# Altium PCB PicoPrint.PcbDoc (part 1 of 3) (continued)
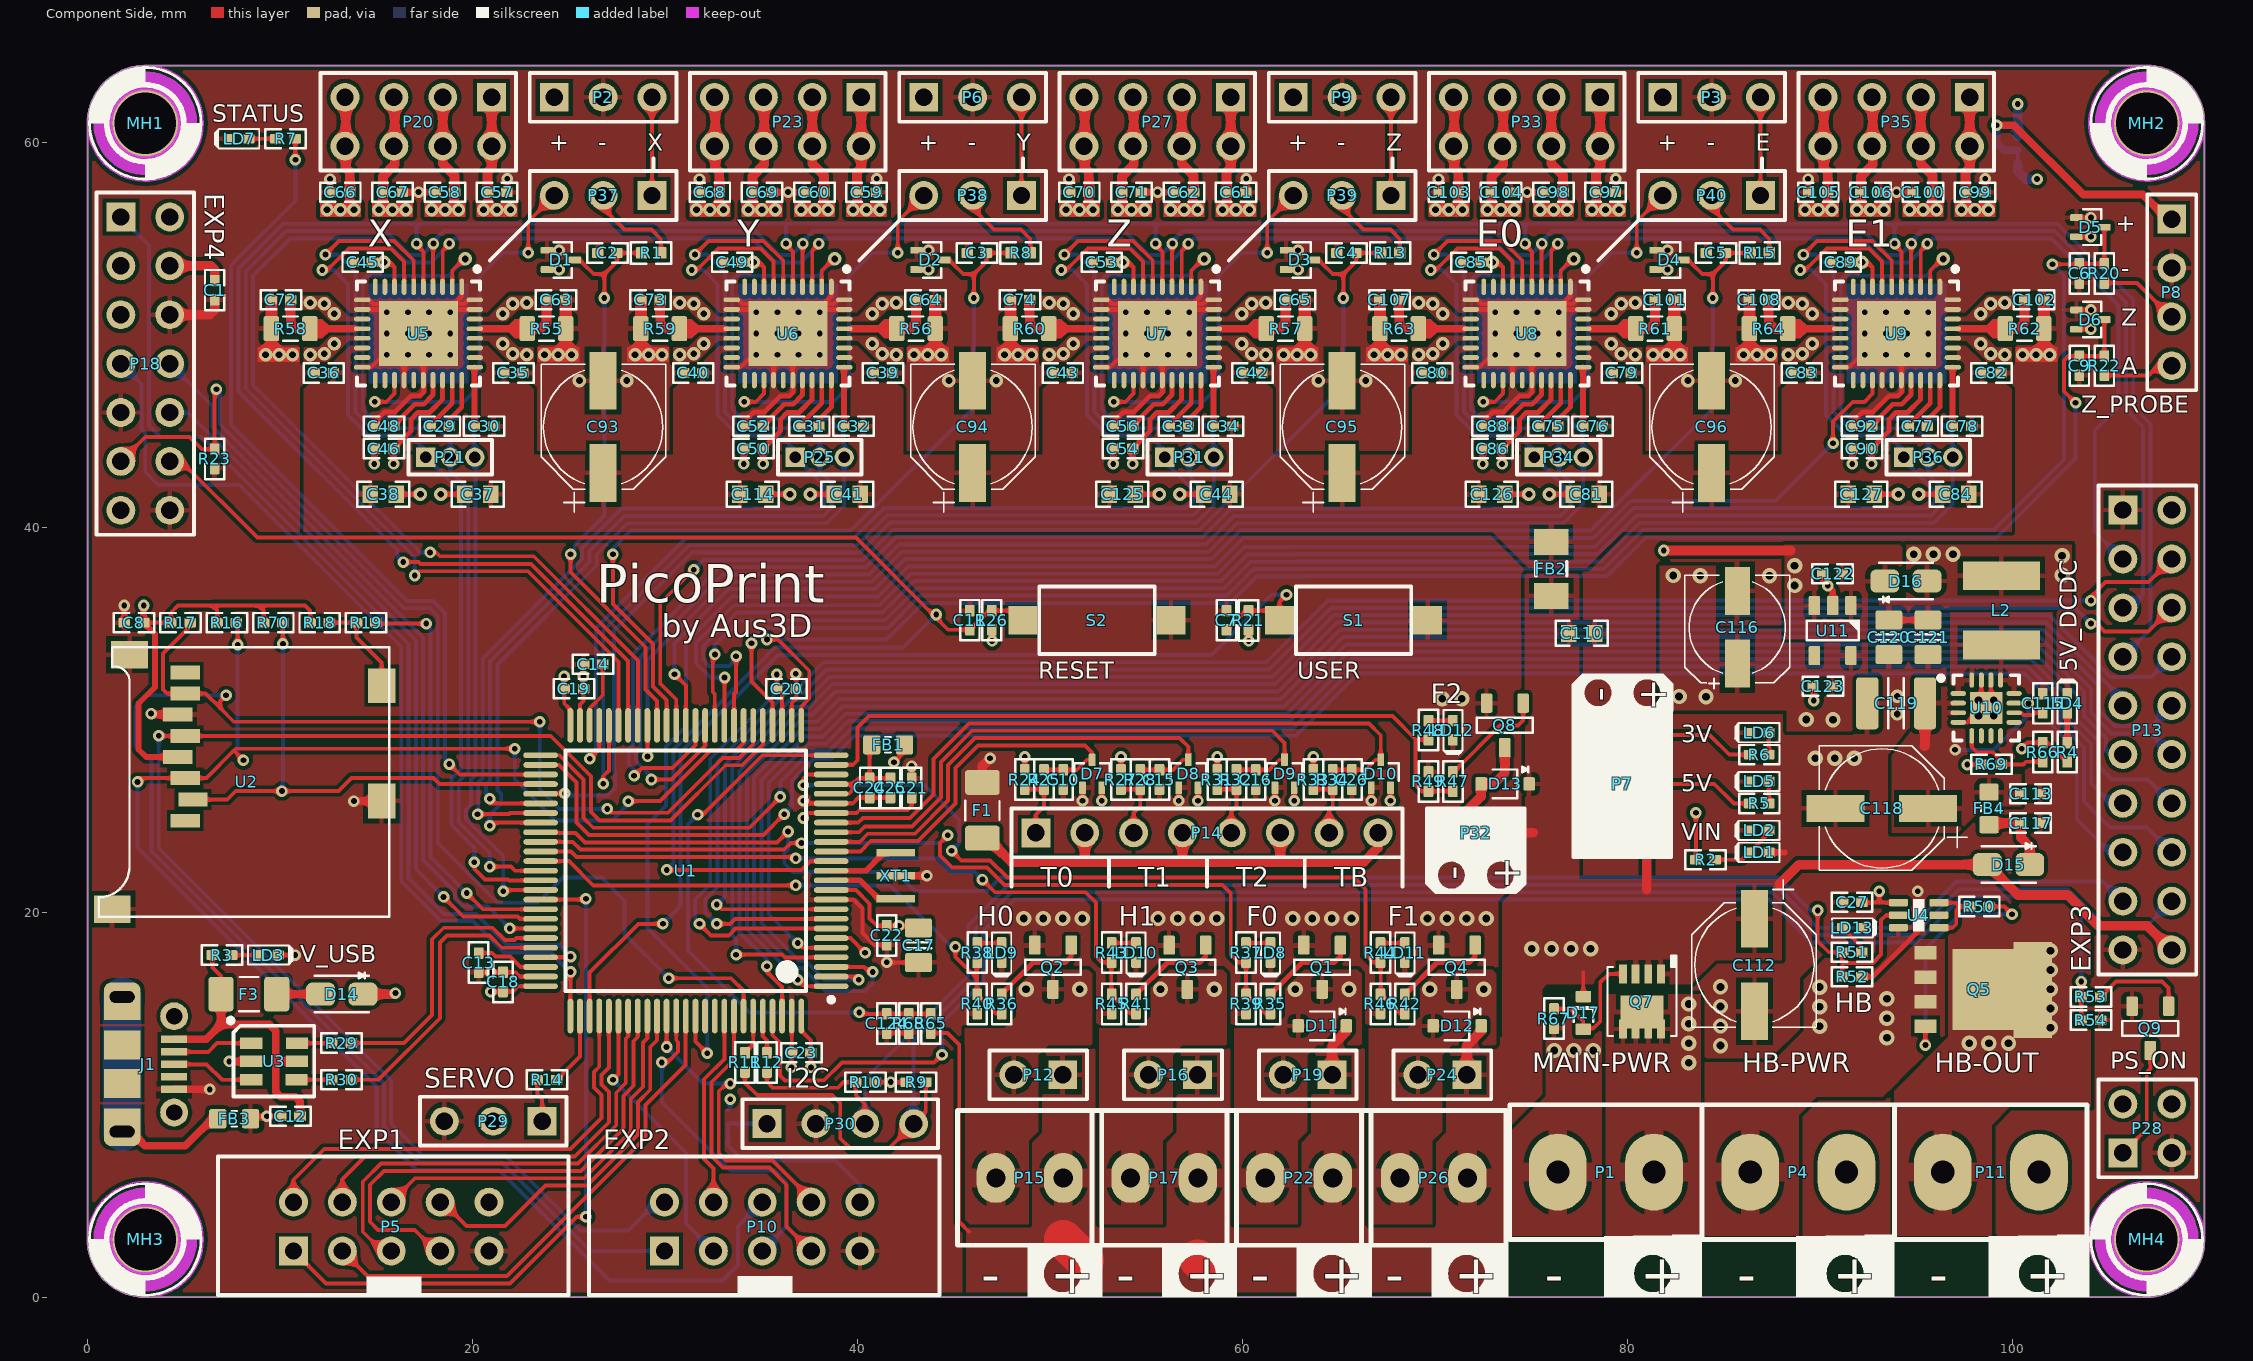
[diagram p0: Component Side view]
## Components (designator, comment, footprint, x,y, rotation, side; value= is the part's Value field where it differs from the comment) (continued)
C88 "CapC-0402-4.7uF-10V" "CAP 1005-0402" 73.004,45.264 r0 top value=4.7uF
C89 "CapC-0402-100nF" "CAP 1005-0402" 91.1,53.775 r0 top value=100nF
C90 "CapC-0402-470nF" "CAP 1005-0402" 92.2,44.1 r0 top value=470nF
C92 "CapC-0402-4.7uF-10V" "CAP 1005-0402" 92.204,45.264 r0 top value=4.7uF
C93 "CapE-6.3-100uF-35V" "CAP EL PANASONIC" 26.79,47.679 r180 top value="100uF 35V"
C94 "CapE-6.3-100uF-35V" "CAP EL PANASONIC" 45.99,47.679 r180 top value="100uF 35V"
C95 "CapE-6.3-100uF-35V" "CAP EL PANASONIC" 65.19,47.679 r180 top value="100uF 35V"
C96 "CapE-6.3-100uF-35V" "CAP EL PANASONIC" 84.39,47.679 r180 top value="100uF 35V"
C97 "CapC-0402-470pF-100V" "CAP 1005-0402" 78.884,57.414 r180 top value=470pF
C98 "CapC-0402-470pF-100V" "CAP 1005-0402" 76.167,57.414 r0 top value=470pF
C99 "CapC-0402-470pF-100V" "CAP 1005-0402" 98.084,57.414 r180 top value=470pF
C100 "CapC-0402-470pF-100V" "CAP 1005-0402" 95.367,57.414 r0 top value=470pF
C101 "CapC-0402-100nF" "CAP 1005-0402" 81.95,51.825 r0 top value=100nF
C102 "CapC-0402-100nF" "CAP 1005-0402" 101.15,51.825 r0 top value=100nF
C103 "CapC-0402-470pF-100V" "CAP 1005-0402" 70.734,57.414 r180 top value=470pF
C104 "CapC-0402-470pF-100V" "CAP 1005-0402" 73.451,57.414 r0 top value=470pF
C105 "CapC-0402-470pF-100V" "CAP 1005-0402" 89.934,57.414 r180 top value=470pF
C106 "CapC-0402-470pF-100V" "CAP 1005-0402" 92.651,57.414 r0 top value=470pF
C107 "CapC-0402-100nF" "CAP 1005-0402" 67.65,51.825 r180 top value=100nF
C108 "CapC-0402-100nF" "CAP 1005-0402" 86.85,51.825 r180 top value=100nF
C110 "CapC-0603-1uF 50V" "Cap 1608-0603" 77.6,34.491 r180 top value=1uF
C112 "CapE-6.3-100uF-35V" "CAP EL PANASONIC" 86.614,14.809 r0 top value="100uF 35V"
C113 "CapC-0402-100nF-50V" "CAP 1005-0402" 100.965,26.162 r180 top value=100nF
C114 "CapC-0603-1uF 50V" "Cap 1608-0603" 34.525,41.725 r180 top value=1uF
C115 "CapC-0402-100nF" "CAP 1005-0402" 101.6,30.861 r90 top value=100nF
C116 "CapE-5.0-100uF-6.3V" "CAP EL 5mm" 85.725,34.798 r180 top value="100uF 6.3V"
C117 "CapC-0402-100nF-50V" "CAP 1005-0402" 100.965,24.638 r180 top value=100nF
C118 "CapE-6.3-100uF-35V" "CAP EL PANASONIC" 90.78,25.4 r270 top value="100uF 35V"
C119 "CapC-1210-4.7uF-50V" "CAP 3225-1210" 93.98,30.861 r0 top value=4.7uF
C120 "CapC-0805-22uF 6.3V" CAPC2012X135N 93.599,34.29 r90 top value=22uF
C121 "CapC-0805-22uF 6.3V" CAPC2012X135N 95.631,34.29 r90 top value=22uF
C122 "CapC-0402-4.7uF-10V" "CAP 1005-0402" 90.678,37.592 r0 top value=4.7uF
C123 "CapC-0402-4.7uF-10V" "CAP 1005-0402" 90.17,31.75 r0 top value=4.7uF
C124 "CapC-0402-100nF" "CAP 1005-0402" 41.529,14.224 r90 top value=100nF
C125 "CapC-0603-1uF 50V" "Cap 1608-0603" 53.725,41.725 r180 top value=1uF
C126 "CapC-0603-1uF 50V" "Cap 1608-0603" 72.925,41.725 r180 top value=1uF
C127 "CapC-0603-1uF 50V" "Cap 1608-0603" 92.125,41.725 r180 top value=1uF
D1 "Dual Schottky 100mA 30V SOT523" SOT523 24.6,53.9 r0 top
D2 "Dual Schottky 100mA 30V SOT523" SOT523 43.8,53.9 r0 top
D3 "Dual Schottky 100mA 30V SOT523" SOT523 63,53.9 r0 top
D4 "Dual Schottky 100mA 30V SOT523" SOT523 82.2,53.9 r0 top
D5 "Dual Schottky 100mA 30V SOT523" SOT523 104.075,55.6 r0 top
D6 "Dual Schottky 100mA 30V SOT523" SOT523 104.075,50.8 r0 top
D7 "Dual Schottky 100mA 30V SOT523" SOT523 52.2,27.2 r90 top
D8 "Dual Schottky 100mA 30V SOT523" SOT523 57.2,27.2 r90 top
D9 "Dual Schottky 100mA 30V SOT523" SOT523 62.2,27.2 r90 top
D10 "Dual Schottky 100mA 30V SOT523" SOT523 67.2,27.2 r90 top
D11 "General 500mW 75V SOD323" SOD323 64.165,14.097 r180 top value="Vf=1V @ 50mA"
D12 "General 500mW 75V SOD323" SOD323 71.165,14.097 r180 top value="Vf=1V @ 50mA"
D13 "General 500mW 75V SOD323" SOD323 73.66,26.67 r180 top value="Vf=1V @ 50mA"
D14 "Schottky 2A 40V SOD-123F" DIOM2616X08N 13.208,15.748 r180 top
D15 "Schottky 2A 40V SOD-123F" DIOM2616X08N 99.822,22.479 r180 top
D16 "Schottky 2A 40V SOD-123F" DIOM2616X08N 94.488,37.211 r0 top
D17 "Zener 10V 150mW SOD523" SOD523 77.724,14.771 r270 top
F1 "PTC Resettable Fuse" "RES 3216-1206" 46.5,25.3 r270 top value=200mA
F3 "PTC Resettable Fuse" "RES 3216-1206" 8.382,15.748 r0 top value=200mA
FB1 "120R @ 100 MHz" INDC1608N 41.6,28.7 r0 top
FB2 "50R @ 100 MHz" INDC3216X13N 76.061,37.846 r90 top
FB3 "120R @ 100 MHz" INDC1608N 7.62,9.271 r0 top
FB4 "120R @ 100 MHz" INDC1608N 98.806,25.4 r90 top
J1 "Micro-USB B Socket" "Micro-USB B Molex 105017-0001" 4.5,12.1 r270 top
J2 "Jumper" JUMPER-3-NO 33.274,9.017 r270 bottom
J8 "Jumper" JUMPER-3-NO 100.3,59.6 r270 bottom
L2 "Inductor SMD 4.7uH 2.6A" INDUCTOR_NRS5030T4R7MMGJ 99.441,35.687 r90 top value=4.7uH
LD1 "LED-0402" "LED 0402" 86.868,23.114 r180 top value=Red
LD2 "LED-0402" "LED 0402" 86.868,24.257 r180 top value=Green
LD3 "LED-0402" "LED 0402" 9.398,17.78 r0 top value=Green
LD4 "LED-0402" "LED 0402" 102.87,30.861 r90 top value=Green
LD5 "LED-0402" "LED 0402" 86.868,26.797 r180 top value=Green
LD6 "LED-0402" "LED 0402" 86.868,29.337 r180 top value=Green
LD7 "LED-0402" "LED 0402" 7.874,60.198 r180 top value=Yellow
LD8 "LED-0402" "LED 0402" 61.468,17.907 r270 top value=Green
LD9 "LED-0402" "LED 0402" 47.498,17.907 r270 top value=Green
LD10 "LED-0402" "LED 0402" 54.483,17.907 r270 top value=Green
LD11 "LED-0402" "LED 0402" 68.453,17.907 r270 top value=Green
LD12 "LED-0402" "LED 0402" 70.948,29.464 r270 top value=Green
LD13 "LED-0402" "LED 0402" 91.694,19.193 r0 top value=Green
MH1 "Screw Hole" M3-Hole-2 3,61 r90 top locked
MH2 "Screw Hole" M3-Hole-2 107,61 r0 top locked
MH3 "Screw Hole" M3-Hole-2 3,3 r180 top
MH4 "Screw Hole" M3-Hole-2 107,3 r270 top locked
P1 "Main PWR Screw Term" "TERM2 5MM" 76.4,6.5 r0 top
P2 "X-STOP" HDR1X3-HEADER 24.25,62.35 r0 top
P3 "E-STOP" HDR1X3-HEADER 81.85,62.35 r0 top
P4 "Bed PWR Screw Term" "TERM2 5MM" 86.4,6.5 r0 top
P5 "EXP1" "HDR2X5_exp Iner only\" 6.698,0.098 r0 top
P6 "Y_STOP" HDR1X3-HEADER 43.45,62.35 r0 top
P7 "PWR_AUX" HDR2X3-Header 81.026,24.13 r90 top
P8 "PROBE" HDR1X4-HEADER 108.3,56.02 r270 top
P9 "Z-STOP" HDR1X3-HEADER 62.65,62.35 r0 top
P10 "EXP2" "HDR2X5_exp Iner only\" 25.978,0.1 r0 top
P11 "HB Screw Term" "TERM2 5MM" 96.4,6.5 r0 top
P12 "H0 Header" HDR1X2-HEADER 50.673,11.557 r180 top
P13 "EXP3" HDR2X10-HEADER 105.76,40.9 r270 top
P14 "Thermistors" HDR1X8-HEADER 49.276,24.13 r0 top
P15 "H0 Screw Term" "TERM2 3.5mm" 50.701,6.2 r180 top
P16 "H1 Header" HDR1X2-HEADER 57.673,11.557 r180 top
P17 "H1 Screw Term" "TERM2 3.5mm" 57.701,6.2 r180 top
P18 "EXP4" HDR2X7 1.73,56.13 r270 top locked
P19 "F0 Header" HDR1X2-HEADER 64.673,11.557 r180 top
P20 "X-MOTOR" HDR2X4-HEADER 21,62.35 r180 top
P21 "X-DRIVER" MHDR1X3 17.58,43.65 r0 top
P22 "F0 Screw Term" "TERM2 3.5mm" 64.701,6.2 r180 top
P23 "Y-MOTOR" HDR2X4-HEADER 40.2,62.35 r180 top
P24 "F1 Header" HDR1X2-HEADER 71.673,11.557 r180 top
P25 "Y-DRIVER" MHDR1X3 36.78,43.65 r0 top
P26 "F1 Screw Term" "TERM2 3.5mm" 71.701,6.2 r180 top
P27 "Z-MOTOR" HDR2X4-HEADER 59.4,62.35 r180 top
P28 "Header 2X2" HDR2X2-Header 105.76,7.5 r0 top
P29 "SERVO" HDR1X3-HEADER 23.622,9.144 r180 top
P30 "I2C" HDR1X4-HEADER 35.306,9.017 r0 top
P31 "Z-DRIVER" MHDR1X3 55.98,43.65 r0 top
P32 "F2 Header" HDR1X2-HEADER 73.406,24.13 r180 top
P33 "E0-MOTOR" HDR2X4-HEADER 78.6,62.35 r180 top
P34 "E0-DRIVER" MHDR1X3 75.18,43.65 r0 top
P35 "E1-MOTOR" HDR2X4-HEADER 97.8,62.35 r180 top
P36 "E1-DRIVER" MHDR1X3 94.38,43.65 r0 top
P37 "X_STOP_SEL" HDR1X3-HEADER 29.33,57.25 r180 top
P38 "Y_STOP_SEL" HDR1X3-HEADER 48.53,57.25 r180 top
P39 "Z_STOP_SEL" HDR1X3-HEADER 67.73,57.25 r180 top
P40 "E_STOP_SEL" HDR1X3-HEADER 86.93,57.25 r180 top
Q1 "AO3400A" "SOT23-3 New" 64.15,17.145 r270 top
Q2 "AO3400A" "SOT23-3 New" 50.165,17.145 r270 top
Q3 "AO3400A" "SOT23-3 New" 57.15,17.145 r270 top
Q4 "AO3400A" "SOT23-3 New" 71.15,17.145 r270 top
Q5 "BUK9Y4R4-40E" LFPACK 95.5,17.9 r270 top
Q7 "SI7111EDN-T1-GE3" "PowerPAK 1218-8 Single" 80.772,15.367 r270 top
Q8 "AO3400A" "SOT23-3 New" 73.645,29.718 r270 top
Q9 "AO3400A" "SOT23-3 New" 107.188,13.97 r270 top
R1 "Res-0402-4K7" RESC1005X40N#1 29.288,54.26 r180 top value=4K7
R2 "Res-0402-4K7" RESC1005X40N#2 84.074,22.733 r180 top value=4K7
R3 "Res-0402-1K" RESC1005X40N#2 6.985,17.78 r180 top value=1K
R4 "Res-0402-1K" RESC1005X40N#2 102.87,28.321 r270 top value=1K
R5 "Res-0402-1K" RESC1005X40N#2 86.868,25.654 r180 top value=1K
R6 "Res-0402-470R" RESC1005X40N#2 86.868,28.194 r180 top value=470R
R7 "Res-0402-470R" RESC1005X40N#2 10.287,60.198 r0 top value=470R
R8 "Res-0402-4K7" RESC1005X40N#1 48.488,54.26 r180 top value=4K7
R9 "Res-0402-2K2" RESC1005X40N#2 43.053,11.176 r180 top value=2K2
R10 "Res-0402-2K2" RESC1005X40N#2 40.428,11.176 r0 top value=2K2
R11 "Res-0402-100R" RESC1005X40N#2 34.163,12.2 r270 top value=100R
R12 "Res-0402-100R" RESC1005X40N#2 35.306,12.2 r270 top value=100R
R13 "Res-0402-4K7" RESC1005X40N#1 67.688,54.26 r180 top value=4K7
R14 "Res-0402-470R" RESC1005X40N#2 23.876,11.303 r180 top value=470R
R15 "Res-0402-4K7" RESC1005X40N#1 86.888,54.26 r180 top value=4K7
R16 "Res-0402-47K" RESC1005X40N#2 7.239,35.052 r180 top value=47K
R17 "Res-0402-47K" RESC1005X40N#2 4.826,35.052 r180 top value=47K
R18 "Res-0402-10K" RESC1005X40N#2 12.065,35.052 r180 top value=10K
R19 "Res-0402-1K" RESC1005X40N#2 14.478,35.052 r180 top value=1K
R20 "Res-0402-4K7" RESC1005X40N#2 104.8,53.2 r90 top value=4K7
R21 "Res-0402-10K" RESC1005X40N#2 60.325,35.171 r270 top value=10K
R22 "Res-0402-4K7" RESC1005X40N#2 104.8,48.4 r90 top value=4K7
R23 "Res-0402-10K" RESC1005X40N#2 6.604,43.561 r90 top value=10K
R24 "Res-0402-4K7" RESC1005X40N#2 48.7,26.9 r90 top value="4K7 1%"
R25 "Res-0402-4K7" RESC1005X40N#2 49.7,26.9 r90 top value=4K7
R26 "Res-0402-10K" RESC1005X40N#2 46.99,35.179 r270 top value=10K
R27 "Res-0402-4K7" RESC1005X40N#2 53.7,26.9 r90 top value="4K7 1%"
R28 "Res-0402-4K7" RESC1005X40N#2 54.7,26.9 r90 top value=4K7
R29 "Res-0402-22R" RESC1005X40N#2 13.2,13.208 r0 top value=22R
R30 "Res-0402-22R" RESC1005X40N#2 13.2,11.303 r0 top value=22R
R31 "Res-0402-4K7" RESC1005X40N#2 58.7,26.9 r90 top value="4K7 1%"
R32 "Res-0402-4K7" RESC1005X40N#2 59.7,26.9 r90 top value=4K7
R33 "Res-0402-4K7" RESC1005X40N#2 63.7,26.9 r90 top value="4K7 1%"
R34 "Res-0402-4K7" RESC1005X40N#2 64.7,26.9 r90 top value=4K7
R35 "Res-0402-10R" RESC1005X40N#2 61.468,15.24 r90 top value=10R
R36 "Res-0402-10R" RESC1005X40N#2 47.498,15.24 r90 top value=10R
R37 "Res-0402-1K" RESC1005X40N#2 60.198,17.907 r270 top value=1K
R38 "Res-0402-1K" RESC1005X40N#2 46.228,17.907 r270 top value=1K
R39 "Res-0402-100K" RESC1005X40N#2 60.198,15.24 r90 top value=100K
R40 "Res-0402-100K" RESC1005X40N#2 46.228,15.24 r90 top value=100K
R41 "Res-0402-10R" RESC1005X40N#2 54.483,15.24 r90 top value=10R
R42 "Res-0402-10R" RESC1005X40N#2 68.453,15.24 r90 top value=10R
R43 "Res-0402-1K" RESC1005X40N#2 53.213,17.907 r270 top value=1K
R44 "Res-0402-1K" RESC1005X40N#2 67.183,17.907 r270 top value=1K
R45 "Res-0402-100K" RESC1005X40N#2 53.213,15.24 r90 top value=100K
R46 "Res-0402-100K" RESC1005X40N#2 67.183,15.24 r90 top value=100K
R47 "Res-0402-10R" RESC1005X40N#2 70.948,26.797 r90 top value=10R
R48 "Res-0402-1K" RESC1005X40N#2 69.678,29.464 r270 top value=1K
R49 "Res-0402-100K" RESC1005X40N#2 69.678,26.797 r270 top value=100K
R50 "Res-0402-10R" RESC1005X40N#2 98.3,20.3 r0 top value=10R
R51 "Res-0402-1K" RESC1005X40N#2 91.694,17.923 r180 top value=1K
R52 "Res-0402-100K" RESC1005X40N#2 91.686,16.653 r180 top value=100K
R53 "Res-0402-1K" RESC1005X40N#2 104.1,15.6 r180 top value=1K
R54 "Res-0402-100K" RESC1005X40N#2 104.1,14.4 r180 top value=100K
R55 "Res-0805-0R11-0.333W" "RES 2012-0805" 23.85,50.325 r180 top value="0R11 1%"
R56 "Res-0805-0R11-0.333W" "RES 2012-0805" 43.05,50.325 r180 top value="0R11 1%"
R57 "Res-0805-0R11-0.333W" "RES 2012-0805" 62.25,50.325 r180 top value="0R11 1%"
R58 "Res-0805-0R11-0.333W" "RES 2012-0805" 10.55,50.325 r0 top value="0R11 1%"
R59 "Res-0805-0R11-0.333W" "RES 2012-0805" 29.75,50.325 r0 top value="0R11 1%"
R60 "Res-0805-0R11-0.333W" "RES 2012-0805" 48.95,50.325 r0 top value="0R11 1%"
R61 "Res-0805-0R11-0.333W" "RES 2012-0805" 81.45,50.325 r180 top value="0R11 1%"
R62 "Res-0805-0R11-0.333W" "RES 2012-0805" 100.65,50.325 r180 top value="0R11 1%"
R63 "Res-0805-0R11-0.333W" "RES 2012-0805" 68.15,50.325 r0 top value="0R11 1%"
R64 "Res-0805-0R11-0.333W" "RES 2012-0805" 87.35,50.325 r0 top value="0R11 1%"
R65 "Res-0402-10K" RESC1005X40N#2 43.815,14.224 r270 top value=10K
R66 "Res-0402-49.9K" RESC1005X40N#2 101.6,28.321 r90 top value=49.9K
R67 "Res-0402-100K" RESC1005X40N#2 76.2,14.478 r90 top value=100K
R68 "Res-0402-1K" RESC1005X40N#2 42.672,14.224 r90 top value=1K
R69 "Res-0402-10K" RESC1005X40N#2 98.933,27.686 r0 top value=10K
R70 "Res-0402-47K" RESC1005X40N#2 9.652,35.052 r180 top value=47K
S1 "User" "SW-PB SMD 2pin" 65.786,35.179 r0 top
S2 "Reset" "SW-PB SMD 2pin" 52.451,35.179 r0 top
U1 "STM32F446VET6" STM-LQFP100_N 31.09,22.16 r180 top locked
U2 "MICROSD" MICRO-SD 9.37,27.178 r90 top
U3 "USBLC6 USB ESD Protection" SOT23-6N 9.684,12.253 r0 top
U4 "Gate Driver" SOT363 95.15,19.85 r0 top
U5 "TMC2130-LA" QFN50P500X600X90_HS-37N 17.2,50.075 r270 top
U6 "TMC2130-LA" QFN50P500X600X90_HS-37N 36.4,50.075 r270 top
U7 "TMC2130-LA" QFN50P500X600X90_HS-37N 55.6,50.075 r270 top
U8 "TMC2130-LA" QFN50P500X600X90_HS-37N 74.8,50.075 r270 top
U9 "TMC2130-LA" QFN50P500X600X90_HS-37N 94,50.075 r270 top
U10 "TS30042" QFN50P300X300X100_HS-17N 98.657,30.62 r0 top
U11 "AP2112K-3.3TRG1" SOT23-5 90.681,34.639 r270 top
XT1 "Ceramic Resonator CSTCE12M0G55-R0" "CERALOCK CSTCE_G" 41.99,21.9 r270 top

## Footprints (in the part's own frame and the unit in brackets; to place one, negate y for a bottom-side part, rotate by r counter-clockwise, add the part's x,y. Pads: shape width x height; smd on the part's side, far side on the other; paste and mask are expansions set on the pad)
"CAP 1005-0402" [mm] "Chip Capacitor, Body 1.0x0.5mm, EIA 0402, IPC Medium Density"
  round 0.2 on Mech15: 0(0,0)
  rrect20% 0.6x0.5 smd: 1(-0.5,0) 2(0.5,0)
  Component Side pour cut-out: -0.325,0.375 -0.2,0.5 0.2,0.5 0.325,0.375 0.325,-0.375 0.2,-0.5 -0.2,-0.5 -0.325,-0.375
  silkscreen extent -1.05,-0.5 1.05,0.5, body extent -0.52,-0.27 0.53,0.28, height 0.55
"Cap 1608-0603" [mm] "Chip Capacitor, Body 1.0x0.5mm, EIA 0402, IPC Medium Density"
  rect 0.8x0.9 smd: 1(-0.725,0) 2(0.625,0)
  silkscreen extent -1.4,-0.65 1.3,0.65, body extent -0.8,-0.4 0.8,0.4, height 0.4
"CAP 3225-1210" [mm] "Chip Capacitor, Body 3.2x2.5mm, EIA 1210, IPC Medium Density"
  round 0.508 on Mech15: 0(0,0)
  rrect25% 1.15x2.7 smd: 1(-1.5,0) 2(1.5,0)
  silkscreen extent -0.4,-1.3 0.4,1.3, body extent -1.8,-1.4 1.8,1.4, height 2.19
"CAP EL 5mm" [mm]
  rect 1.3x2.5 smd: 1(0,1.88) 2(0,-1.905)
  silkscreen extent -2.72,-2.72 2.72,3.16, body extent -2.75,-3.25 2.75,3.25, height 5.5
"CAP EL PANASONIC" [mil]
  rect 55x118 smd: 1(0,190.97) 2(0,1.97)
  silkscreen extent -128,-31 127,271, body extent -134,-57 134,250, height 217
CAPC2012X135N [mm] "Chip Capacitor, Body 2.0x1.2mm, EIA 0805, IPC Medium Density"
  round 0.254 on Mech15: 0(0,0)
  rrect25% 1x1.4 smd: 1(-0.9,0) 2(0.9,0)
  Component Side pour cut-out: -0.675,0.7 -0.475,0.9 0.475,0.9 0.675,0.7 0.675,-0.7 0.475,-0.9 -0.475,-0.9 -0.675,-0.7
  silkscreen extent -0.15,-0.65 0.15,0.65, body extent -1.1,-0.72 1.1,0.73, height 1.34
"CERALOCK CSTCE_G" [mm]
  rect 0.4x2 smd: 1(-1.2,0) 2(0,0) 3(1.2,0)
  body extent -1.6,-0.65 1.6,0.65, height 0.7
DIOM2616X08N [mm] "Molded Diode, 2-Leads, Body 2.60x1.60mm, IPC Medium Density"
  rrect50% 1.5x1.2 smd: A(1.1,0) K(-1.1,0)
  silkscreen extent -1.4,-1.11 1.4,0.95, body extent -1.35,-0.85 1.35,0.85, height 0.85
HDR1X2-HEADER [mm]
  rect 1.5x1.5 hole 0.9: 1(0,0)
  round 1.5 hole 0.9: 2(2.54,0)
  silkscreen extent -1.27,-1.27 3.81,1.27, body extent -1.27,-1.27 3.81,1.27, height 8.6
HDR1X3-HEADER [mm]
  rect 1.5x1.5 hole 0.9: 1(0,0)
  round 1.5 hole 0.9: 2(2.54,0) 3(5.08,0)
  silkscreen extent -1.27,-1.27 6.35,1.27, body extent -1.27,-1.27 6.35,1.27, height 8.6
HDR1X4-HEADER [mm]
  rect 1.5x1.5 hole 0.9: 1(0,0)
  round 1.5 hole 0.9: 2(2.54,0) 3(5.08,0) 4(7.62,0)
  silkscreen extent -1.27,-1.27 8.89,1.27, body extent -1.27,-1.27 8.89,1.27, height 8.6
HDR1X8-HEADER [mm]
  rect 1.5x1.5 hole 0.9: 1(0,0)
  round 1.5 hole 0.9: 2(2.54,0) 3(5.08,0) 4(7.62,0) 5(10.16,0) 6(12.7,0) 7(15.24,0) 8(17.78,0)
  silkscreen extent -1.27,-1.27 19.05,1.27, body extent -1.27,-1.27 19.05,1.27, height 8.6
HDR2X2-Header [mm]
  rect 1.5x1.5 hole 0.9: 1(0,0)
  round 1.5 hole 0.9: 2(0,2.54) 3(2.54,0) 4(2.54,2.54)
  silkscreen extent -1.27,-1.27 3.81,3.81, body extent -1.27,-1.27 3.81,3.81, height 8.6
HDR2X3-Header [mm]
  rect 1.5x1.5 hole 0.9: 1(0,0)
  round 1.5 hole 0.9: 2(0,2.54) 3(2.54,0) 4(2.54,2.54) 5(5.08,0) 6(5.08,2.54)
  silkscreen extent -1.27,-1.27 6.35,3.81, body extent -1.27,-1.27 6.35,3.81, height 8.6
HDR2X4-HEADER [mm]
  rect 1.5x1.5 hole 0.9: 1(0,0)
  round 1.5 hole 0.9: 2(0,2.54) 3(2.54,0) 4(2.54,2.54) 5(5.08,0) 6(5.08,2.54) 7(7.62,0) 8(7.62,2.54)
  silkscreen extent -1.27,-1.27 8.89,3.81, body extent -1.27,-1.27 8.89,3.81, height 8.6
"HDR2X5_exp Iner only\" [mm]
  rect 1.5x1.5 hole 0.9: 1(4.004,2.302)
  round 1.5 hole 0.9: 2(4.004,4.842) 3(6.544,2.302) 4(6.544,4.842) 5(9.084,2.302) 6(9.084,4.842) 7(11.624,2.302) 8(11.624,4.842) 9(14.164,2.302) 10(14.164,4.842)
  silkscreen extent 0.09,0.01 18.29,7.21, body extent 2.73,1.03 15.43,6.11, height 8.6
HDR2X7 [mm]
  rect 1.5x1.5 hole 0.9: 1(0,0)
  round 1.5 hole 0.9: 2(0,2.54) 3(2.54,0) 4(2.54,2.54) 5(5.08,0) 6(5.08,2.54) 7(7.62,0) 8(7.62,2.54) 9(10.16,0) 10(10.16,2.54) 11(12.7,0) 12(12.7,2.54) 13(15.24,0) 14(15.24,2.54)
  silkscreen extent -1.27,-1.27 16.51,3.81, body extent -1.27,-1.27 16.51,3.81, height 8.6
HDR2X10-HEADER [mm]
  rect 1.5x1.5 hole 0.9: 1(0,0)
  round 1.5 hole 0.9: 2(0,2.54) 3(2.54,0) 4(2.54,2.54) 5(5.08,0) 6(5.08,2.54) 7(7.62,0) 8(7.62,2.54) 9(10.16,0) 10(10.16,2.54) 11(12.7,0) 12(12.7,2.54) 13(15.24,0) 14(15.24,2.54) 15(17.78,0) 16(17.78,2.54) 17(20.32,0) 18(20.32,2.54) 19(22.86,0) 20(22.86,2.54)
  silkscreen extent -1.27,-1.27 24.13,3.81, body extent -1.27,-1.27 24.13,3.81, height 8.6
INDC1608N [mm] "Chip bead, Body 1.6x0.8mm, 0603, IPC Medium Density"
  round 0.254 on Mech15: 0(0,0)
  rrect25% 0.9x1 smd: 1(-0.85,0) 2(0.85,0)
  Component Side pour cut-out: -0.4,0.6 0.4,0.6 0.4,-0.6 -0.4,-0.6
  silkscreen extent -0.15,-0.41 0.15,0.41, body extent -0.8,-0.4 0.8,0.4, height 0.79
INDC3216X13N [mm] ", 2-Leads, Body 3.20x1.60mm, IPC Medium Density"
  rect 1.35x1.8 smd: 1(-1.4,0) 2(1.4,0)
  silkscreen extent -0.35,-0.8 0.35,0.8, body extent -1.62,-0.82 1.63,0.83, height 0.69
INDUCTOR_NRS5030T4R7MMGJ [mm]
  rect 1.5x4 smd: 1(-1.8,0) 2(1.8,0)
  body extent -2.4,-2.45 2.5,2.45, height 3
JUMPER-3-NO [mm]
  rect 0.5x1 smd: 1(-0.7,0) 2(0,0) 3(0.7,0)
"LED 0402" [mm]
  round 0.254 on Mech15: 0(0,0)
  rrect25% 0.6x0.5 smd: 1(-0.5,0) 2(0.5,0)
  Component Side pour cut-out: -0.5,0.5 0.5,0.5 0.5,-0.5 -0.5,-0.5
  silkscreen extent -1.05,-0.5 1.26,0.5, body extent -0.5,-0.25 0.5,0.25, height 0.16